# KiCad board UniDebug.kicad_pcb (continued)
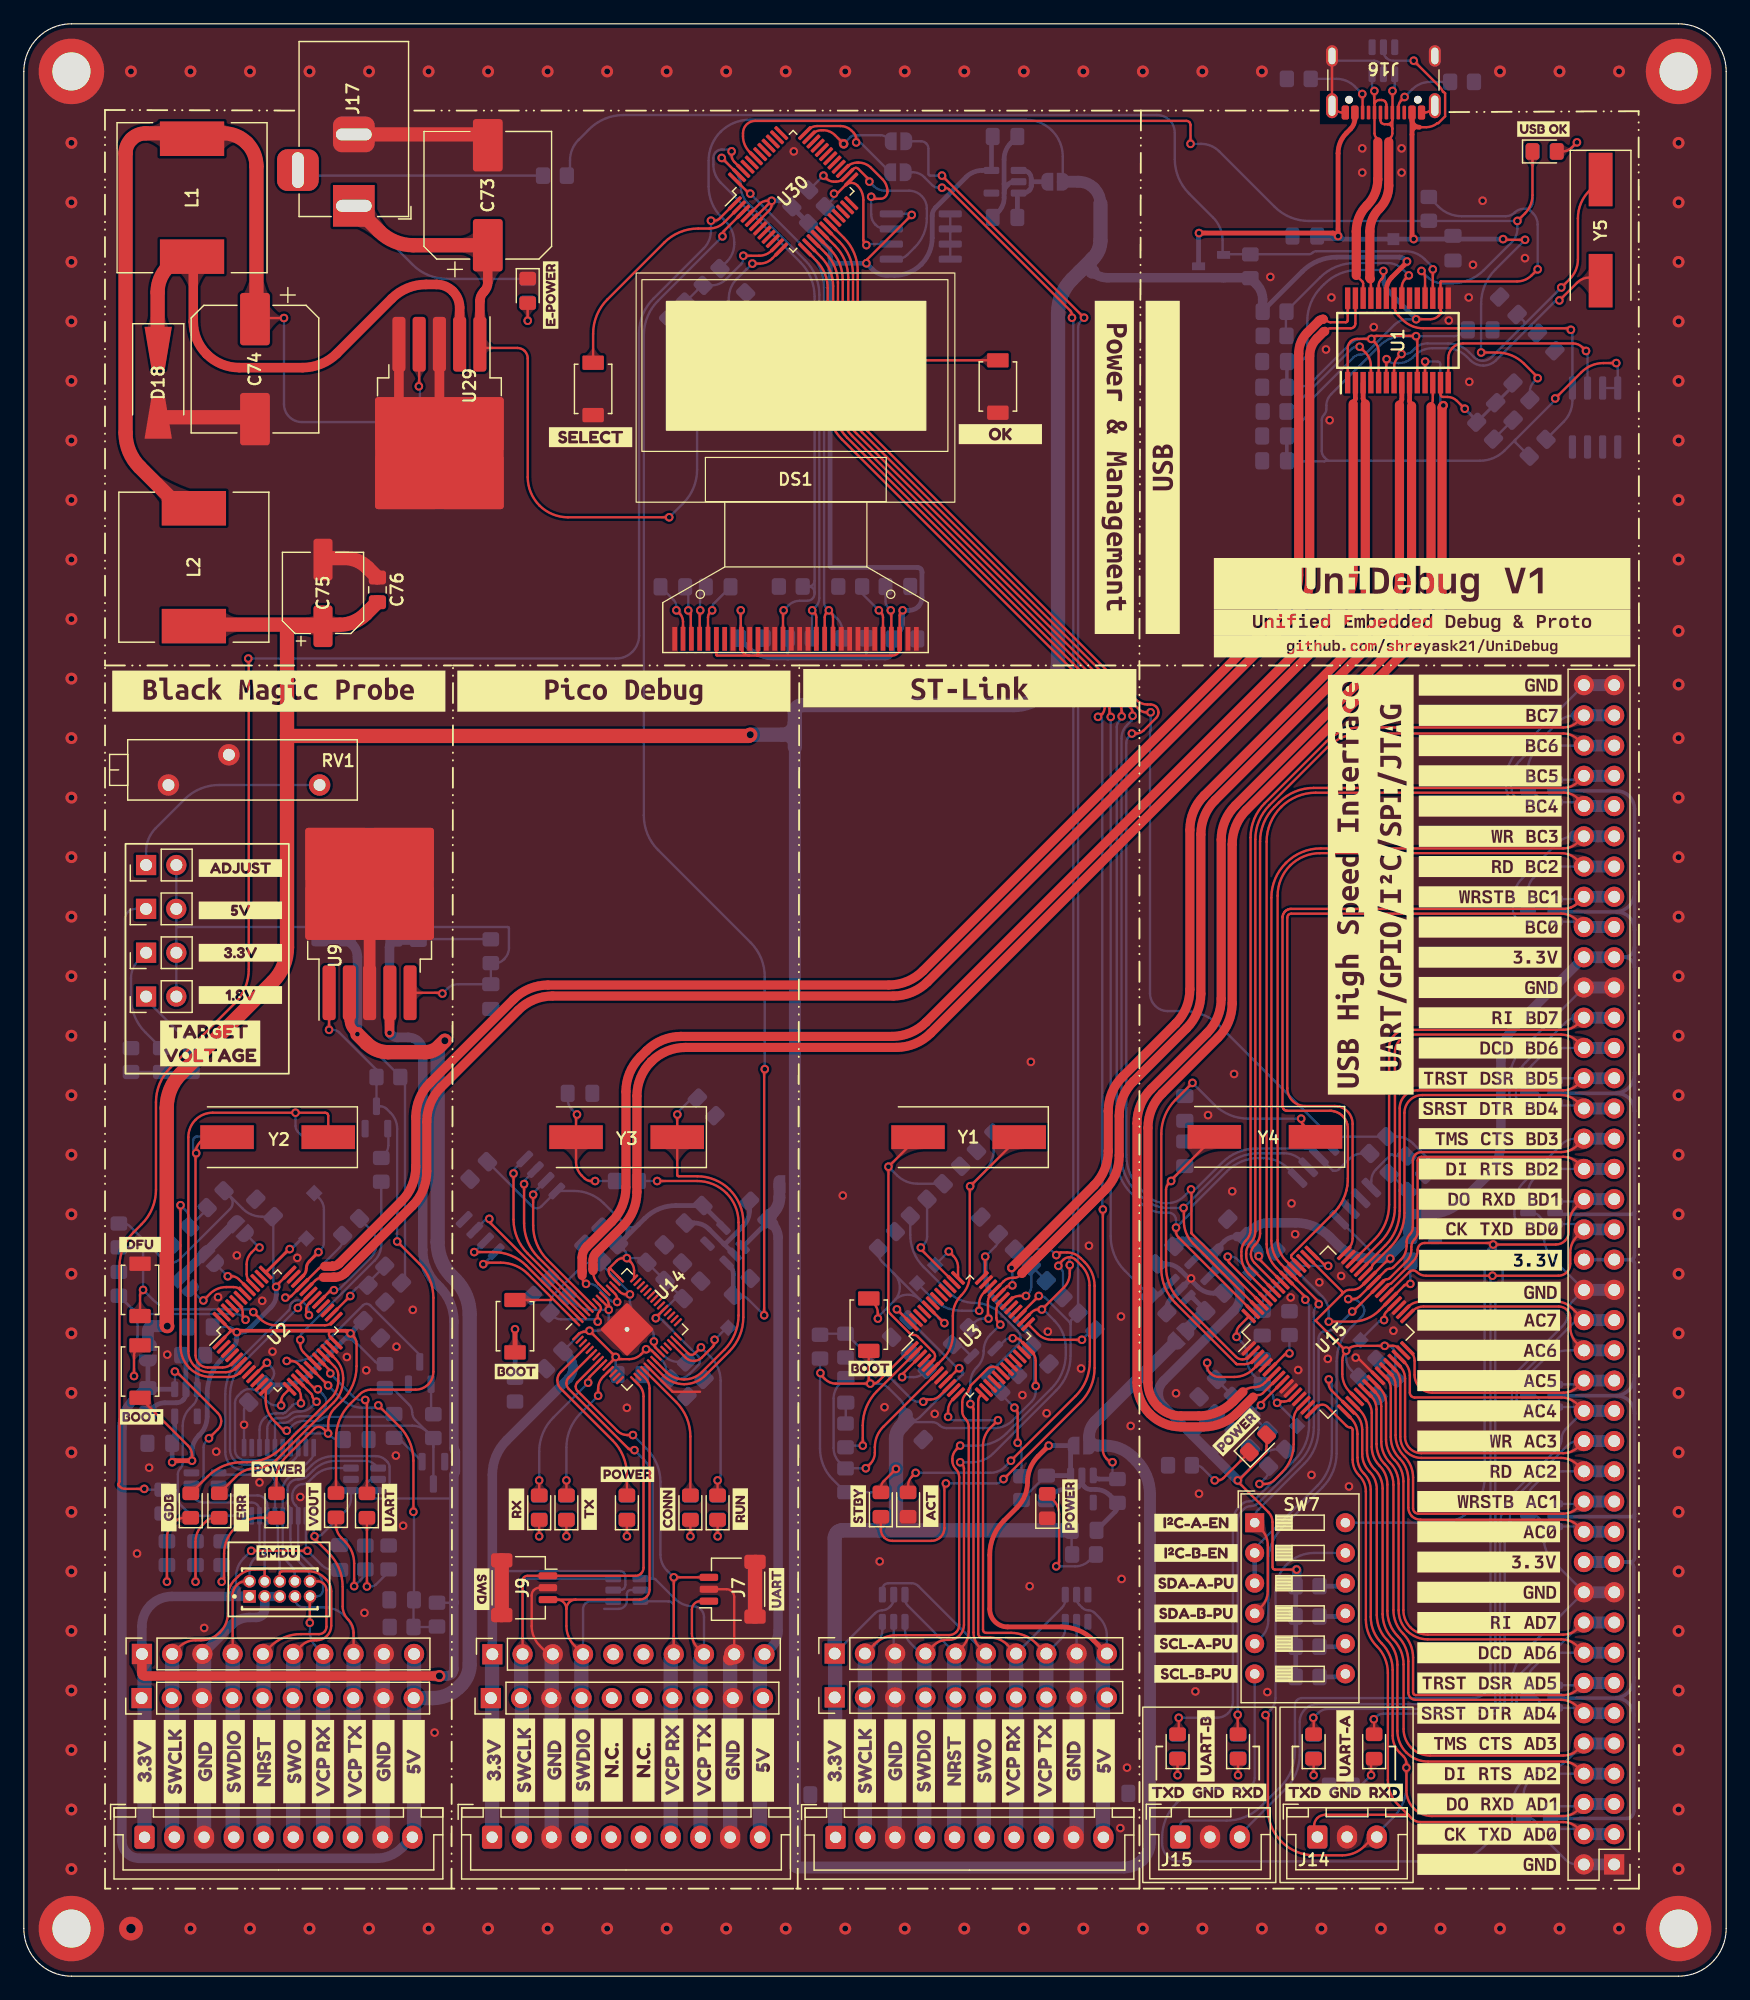
[diagram p0: board, top side]
## Nets (continued)
/USBHS_FTDI/VCORE: C45.1 C47.1 C48.1 C49.1 TP18.1 U15.12 U15.37 U15.49 U15.64
Net-(C30-Pad2): C30.2 R36.2 Y3.2
Net-(C74-Pad1): C74.1 L1.2 L2.1 R84.2
Net-(D1-K): D1.1 R12.1
Net-(D2-A): D2.2 R13.1
Net-(D3-K): D3.1 R33.1
Net-(D4-K): D4.1 R46.1
Net-(D5-K): D5.1 R48.1
Net-(D6-K): D6.1 R49.1
Net-(D7-K): D7.1 R50.1
Net-(D8-K): D8.1 R55.1
Net-(D9-K): D9.1 R56.1
Net-(D10-K): D10.1 R57.1
Net-(D11-K): D11.1 R58.1
Net-(D12-K): D12.1 R59.1
Net-(D13-K): D13.1 R67.1
Net-(D14-K): D14.1 R68.1
Net-(D15-K): D15.1 R69.1
Net-(D16-K): D16.1 R70.1
Net-(D17-A): D17.2 R81.2
Net-(D18-K): D18.1 L1.1 U29.2
Net-(D19-A): D19.2 R86.2
Net-(D20-A): D20.2 R14.2
Net-(D21-K): D21.1 R19.1
Net-(DS1-C1N): C79.2 DS1.5
Net-(DS1-C1P): C79.1 DS1.4
Net-(DS1-C2N): C78.1 DS1.2
Net-(DS1-C2P): C78.2 DS1.3
Net-(DS1-IREF): DS1.26 R87.2
Net-(DS1-VCOMH): C77.2 DS1.27
Net-(J13-Pin_11): J13.11 J13.12 U15.21 U24.6
Net-(J13-Pin_13): J13.13 J13.14 U15.22 U24.4
Net-(J13-Pin_15): J13.15 J13.16 U15.23 U24.3
Net-(J13-Pin_17): J13.17 J13.18 U15.24 U24.1
Net-(J13-Pin_23): J13.23 J13.24 U15.26 U23.6
Net-(J13-Pin_25): J13.25 J13.26 U15.27 U23.4
Net-(J13-Pin_27): J13.27 J13.28 U15.28 U23.3
Net-(J13-Pin_33): J13.33 J13.34 U15.32 U22.4
Net-(J13-Pin_35): J13.35 J13.36 U15.33 U22.3
Net-(J13-Pin_37): J13.37 J13.38 U15.34 U22.1
Net-(J13-Pin_51): J13.51 J13.52 U15.43 U20.6
Net-(J13-Pin_53): J13.53 J13.54 U15.44 U20.4
Net-(J13-Pin_55): J13.55 J13.56 U15.45 U20.3
Net-(J13-Pin_57): J13.57 J13.58 U15.46 U20.1
Net-(J13-Pin_63): J13.63 J13.64 U15.48 U19.6
Net-(J13-Pin_65): J13.65 J13.66 U15.52 U19.4
Net-(J13-Pin_67): J13.67 J13.68 U15.53 U19.3
Net-(J13-Pin_73): J13.73 J13.74 U15.57 U18.4
Net-(J13-Pin_75): J13.75 J13.76 U15.58 U18.3
Net-(J13-Pin_77): J13.77 J13.78 U15.59 U18.1
Net-(J16-CC1): J16.A5 R78.1
Net-(J16-CC2): J16.B5 R77.2
Net-(J17-Pad3): J17.3 R75.1
Net-(JP2-B): JP2.2 U2.40
Net-(JP3-B): JP3.2 U2.41
Net-(JP4-B): JP4.2 U2.42
Net-(JP7-A): JP7.1 R39.1
Net-(JP8-A): JP8.1 R44.1
Net-(JP9-A): JP9.1 RV1.1
Net-(JP10-A): JP10.1 R45.1
Net-(JP10-B): C19.1 JP7.2 JP8.2 JP9.2 JP10.2 R43.2 U9.5
Net-(JP11-A): C62.1 JP11.1 U26.1
Net-(JP12-A): C83.1 JP12.1 U32.1 U32.3
Net-(JP13-B): JP13.2 U30.35
Net-(JP14-B): JP14.2 U30.36
Net-(Q1-B): Q1.1 R7.1 R9.1 R10.1
Net-(Q1-E): Q1.2 R8.2
Net-(Q2-B): Q2.1 R27.2
Net-(Q3-B): Q3.1 R28.2
Net-(Q4-B): Q4.1 R35.2
Net-(R32-Pad1): R32.1 SW4.2
Net-(R93-Pad2): R93.2 SW7.10
Net-(R94-Pad2): R94.2 SW7.9
Net-(R95-Pad2): R95.2 SW7.8
Net-(R96-Pad2): R96.2 SW7.7
Net-(U1-OVCUR1#): R73.1 R74.1 U1.21
Net-(U2-BOOT0): R21.2 SW2.2 U2.44
Net-(U2-NRST): C10.1 R20.2 U2.7
Net-(U2-PA8): R24.1 U2.29
Net-(U2-PB12): R25.1 SW3.1 U2.25
Net-(U2-PD0): C11.2 U2.5 Y2.2
Net-(U2-PD1): C12.2 U2.6 Y2.1
Net-(U3-BOOT0): R2.2 SW1.2 U3.44
Net-(U3-NRST): C5.1 R1.2 U3.7
Net-(U3-PA0): R3.1 R4.2 U3.10
Net-(U3-PA9): R12.2 R13.2 U3.30
Net-(U3-PA15): R7.2 U3.38
Net-(U3-PB12): R11.1 U3.25
Net-(U3-PC13): R5.2 U3.2
Net-(U3-PC14): R6.2 U3.3
Net-(U3-PD0): C7.2 U3.5 Y1.2
Net-(U3-PD1): C6.2 U3.6 Y1.1
Net-(U14-XIN): C29.2 U14.20 Y3.1
Net-(U14-XOUT): R36.1 U14.21
Net-(U15-OSCI): C58.2 U15.2 Y4.2
Net-(U15-OSCO): C59.2 U15.3 Y4.1
Net-(U15-REF): R62.1 U15.6
Net-(U15-VPHY): C56.2 FB1.2 U15.4
Net-(U15-VPLL): C57.2 FB2.2 U15.9
Net-(U15-~{PWREN}): TP14.1 U15.60
Net-(U15-~{RESET}): R61.1 U15.14
Net-(U15-~{SUSPEND}): TP17.1 U15.36
Net-(U29-FB): R84.1 R85.2 U29.4
Net-(U30-PA0): R16.1 R18.2 U30.11
Net-(U30-PA1): R15.1 R17.2 U30.12
Net-(U30-PB13): R92.2 U30.25 U31.6
Net-(U30-PB14): R91.2 U30.26 U31.5
Net-(U30-PB15): U30.27 U31.7

Pads without a net: DS1 7; J10 5 6; J11 5 6; J12 5 6; J16 A8 B8; U1 19 20; U2 2 3 4 10 11 27 28 38 39 43 45 46; U3 4 11 14 15 16 17 19 21 22 28 29 39 40 41 42 43 45 46; U4 4; U6 1 6; U8 6; U10 9 12; U12 4; U14 2 3 5 7 12 13 14 16 24 25 28 29 30 31 32 34 35 36 37 38 39 40 41; U16 4; U17 6 7; U26 4; U27 4 6; U30 8 9 10 20 21 22 23 24 28 29 30 31 32 33 34 37 38 39 40 41 42 44 45; U32 4

## Via types
v1: diameter 0.72, hole 0.4, Top to Bottom, 329 vias
v2: diameter 1, hole 0.6, Top to Bottom, 4 vias
v3: diameter 1, hole 0.5, Top to Bottom, 108 vias
v4: diameter 2, hole 0.8, Top to Bottom, 1 via
v5: diameter 0.8, hole 0.4, Top to Bottom, 1 via

## Routing (per net, layer and track width the routed paths; a pad name or vN(x,y) marks a point on that pad's centre or on a via; arc(x,y) is an arc through that point)
/Main_USB_HUB/3V3HUB: length 157.3
  Top w0.2: U1.24 113.8,142.02 arc(113.86,142.29) 114.01,142.51 114.1,142.6 arc(114.18,142.72) 114.21,142.87 v1(114.21,143.24) ; U1.10 117.05,137.59 arc(117.04,137.66) 117,137.71 v1(116.95,137.76) 116.94,137.78 arc(116.93,137.78) 116.91,137.79 113.63,137.79 arc(113.46,137.75) 113.32,137.66 v1(113.19,137.53) ; v1(133.77,135.5) 132.69,135.5 arc(131.69,135.3) 130.85,134.74 v1(128.64,132.53) ; v1(113.19,137.53) 113.5,137.23 arc(113.72,136.89) 113.8,136.49 U1.5 ; v1(113.19,137.53) 112,137.53 arc(111.69,137.47) 111.44,137.3 arc(111.26,137.04) 111.2,136.74 U1.1 ; v1(127.16,143.38) 126.65,142.87 arc(126.09,142.49) 125.43,142.36 119.06,142.36 arc(119.04,142.36) 119.02,142.34 arc(119.01,142.33) 119,142.31 U1.16 119,139.97 arc(119.02,139.89) 119.07,139.82 arc(119.09,139.76) 119.07,139.69 118.84,139.47 arc(118.53,139.26) 118.15,139.18 v1(116.95,139.18)
  Bottom w0.2: R83.2 125.31,128.83 arc(125.27,128.89) 125.26,128.95 ; 106.05,129.33 106.05,127.25 ; 109.42,127.41 109.24,127.59 arc(109.08,127.83) 109.03,128.11 109.03,130.7 arc(109.08,130.95) 109.22,131.17 arc(109.36,131.38) 109.41,131.63 109.41,131.92 arc(109.52,132.44) 109.81,132.88 113.89,136.96 arc(114.78,137.55) 115.82,137.76 v1(116.95,137.76) 120.16,137.76 arc(120.5,137.83) 120.8,138.03 121.07,138.3 ; 109.42,127.41 109.5,127.33 ; 109.42,127.41 arc(109.44,127.37) 109.42,127.33 ; R81.1 126.75,149.06 arc(126.71,148.83) 126.58,148.63 ; v1(113.19,137.53) 112.5,137.53 arc(111.87,137.41) 111.33,137.05 108.34,134.05 arc(107.69,133.62) 106.93,133.47 C68.2 ; 126.58,148.28 126.78,148.07 arc(127.06,147.65) 127.16,147.16 v1(127.16,143.38) ; 126.58,148.28 arc(126.5,148.46) 126.58,148.63 ; 126.58,148.28 arc(126.38,148.41) 126.15,148.46 ; 126.15,148.46 125.97,148.46 arc(125.58,148.38) 125.24,148.15 125.24,148.15 arc(124.89,147.92) 124.49,147.84 120.78,147.84 arc(119.72,148.05) 118.83,148.65 R82.1 ; 126.15,148.46 arc(126.38,148.5) 126.58,148.63 ; 109.5,127.33 arc(109.46,127.35) 109.42,127.33 ; 109.5,127.33 arc(109.54,127.31) 109.59,127.3 122.31,127.3 arc(123.44,127.52) 124.39,128.16 125.21,128.97 ; v1(116.95,139.18) 116.28,139.18 arc(115.66,139.06) 115.13,138.71 112.88,136.46 arc(112.61,136.28) 112.28,136.21 arc(111.96,136.15) 111.69,135.97 108.37,132.65 arc(108.1,132.25) 108.01,131.79 arc(107.92,131.33) 107.66,130.94 C65.1 ; 125.21,128.97 125.31,129.08 ; 125.21,128.97 arc(125.24,128.98) 125.26,128.95 ; v1(133.77,135.5) 133.83,135.44 arc(133.88,135.37) 133.89,135.29 U28.8 U28.7 ; 125.31,129.08 128.59,132.36 arc(128.63,132.41) 128.64,132.47 v1(128.64,132.53) ; 125.31,129.08 arc(125.27,129.02) 125.26,128.95 ; C69.1 106.94,135.63 arc(107.27,135.69) 107.55,135.88 arc(107.74,136.16) 107.81,136.5 107.81,139.02 arc(108.12,140.58) 109,141.9 109.23,142.13 arc(110.55,143.01) 112.12,143.33 114.06,143.33 arc(114.12,143.31) 114.17,143.28 v1(114.21,143.24) ; 106.15,127.25 109.24,127.25 arc(109.33,127.26) 109.4,127.31 109.42,127.33
  Bottom w0.3: C65.1 C66.2 ; C68.2 C69.1
  Bottom w0.4: v1(114.21,143.24) 114.21,142.61 arc(114.32,142.02) 114.66,141.52 116.94,139.24 arc(116.95,139.23) 116.95,139.21 v1(116.95,139.18)
GND: length 383
  Top w0.2: J16.A1 117.68,156.55 arc(117.93,156.6) 118.15,156.74 ; J7.2 59.03,32.5 arc(59.27,32.45) 59.48,32.31 arc(59.63,32.1) 59.68,31.85 59.68,27.28 ; J16.S1 J16.S1 ; v1(111.87,51.96) 111.96,51.96 arc(112.04,51.94) 112.1,51.9 U15.25 ; J9.2 43.31,32.63 arc(43.06,32.58) 42.85,32.44 arc(42.71,32.23) 42.66,31.98 42.66,29.43 arc(42.84,28.52) 43.36,27.74 44.05,27.04 ; J16.A12 110.74,156.55 arc(110.48,156.6) 110.27,156.74 ; 56.8,49.09 54.5,49.09 U14.19
  Top w0.8: U29.3 U29.3 ; U29.5 31.51,130.98
  Top w1: U9.3 U9.3
  Top w1.2: 25.26,119.12 26.91,119.12 arc(27.98,118.91) 28.89,118.31 C76.2 ; J9.MP J9.MP ; J17.2 38.06,154.71 C73.2 ; 59.5,26.87 59.33,26.7 ; D18.2 19.26,130.95 ; J7.MP J7.MP
  Bottom w0.2: 110.29,160.9 113.4,160.9 arc(113.71,160.84) 113.97,160.66 113.97,160.66 arc(114.15,160.4) 114.21,160.1 ; U31.1 U31.4 ; 48.75,30.85 49.96,30.85 arc(50.45,31.06) 50.66,31.55 50.66,32.12 arc(50.68,32.24) 50.75,32.34 arc(50.86,32.41) 50.98,32.44 U11.2 ; 126.71,99.56 127.08,99.19 arc(127.26,98.92) 127.32,98.61 127.32,98.47 arc(127.28,98.28) 127.18,98.13 arc(127.02,98.02) 126.83,97.99 125.96,97.99 arc(125.7,98.04) 125.48,98.19 125.1,98.56 arc(124.67,99.2) 124.52,99.96 124.52,100.53 arc(124.78,101.82) 125.5,102.91 J13.80 ; J13.60 125.9,77.9 arc(125.07,76.66) 124.78,75.19 124.78,74.21 arc(124.89,73.65) 125.21,73.17 125.42,72.95 arc(125.66,72.79) 125.95,72.74 126.88,72.74 arc(127.05,72.77) 127.19,72.87 arc(127.29,73.01) 127.32,73.18 127.32,73.84 arc(127.28,74.01) 127.19,74.16 arc(127.05,74.25) 126.88,74.29 ; R45.2 R44.2 ; U5.2 73.07,27.23 ; U17.5 113.19,66.81 arc(113.3,67.33) 113.59,67.78 114.85,69.04 arc(114.87,69.05) 114.89,69.05 arc(114.92,69.05) 114.94,69.04 115,68.98 arc(115.08,68.92) 115.19,68.9 C60.2 ; U10.11 18.5,46.31 arc(18.5,46.32) 18.5,46.32 v1(18.5,46.32) 18.5,46.32 arc(18.5,46.33) 18.5,46.33 18.5,47.53 arc(18.55,47.79) 18.69,48 ; 69.05,46.45 C5.2 ; R80.1 125.05,130.7 ; J4.9 U6.2 ; 130.48,9.39 arc(129.95,9.49) 129.5,9.79 127.52,11.77 arc(127.35,12.03) 127.29,12.34 arc(127.23,12.65) 127.05,12.91 126.87,13.09 arc(126.61,13.27) 126.31,13.33 ; 126.69,64.13 arc(126.99,64.07) 127.25,63.89 127.34,63.8 arc(127.58,63.44) 127.67,63.02 127.67,62.25 arc(127.89,61.12) 128.53,60.17 J13.40 130.14,56.74 arc(129.82,56.26) 129.7,55.68 arc(129.59,55.11) 129.26,54.62 125.37,50.72 arc(125.09,50.31) 124.99,49.82 124.99,48.43 arc(125.1,47.91) 125.39,47.48 arc(125.82,47.19) 126.34,47.08 126.66,47.08 arc(126.91,47.13) 127.13,47.28 arc(127.27,47.49) 127.32,47.74 127.32,48.25 arc(127.28,48.44) 127.17,48.61 arc(127,48.72) 126.81,48.76 ; 126.81,23.49 arc(127,23.45) 127.17,23.34 arc(127.28,23.17) 127.32,22.97 127.32,22.38 arc(127.29,22.21) 127.19,22.07 arc(127.05,21.97) 126.88,21.94 125.45,21.94 arc(125.28,21.97) 125.13,22.07 arc(125.03,22.22) 124.99,22.4 124.99,24.5 arc(125.3,26.07) 126.19,27.39 J13.20 128.53,34.77 arc(127.89,35.72) 127.67,36.85 127.67,37.62 arc(127.58,38.04) 127.34,38.4 127.25,38.49 arc(126.99,38.67) 126.69,38.73
  Bottom w0.4: 13.62,49.63 13.62,51.77 ; C18.2 86.35,40.43 arc(86.85,40.77) 87.45,40.89 88.01,40.89 arc(88.34,40.95) 88.63,41.14 88.65,41.17 arc(88.82,41.42) 88.88,41.73 ; 58.79,61.52 58.84,61.46 ; 58.79,61.52 57.56,62.75 arc(56.98,63.13) 56.3,63.27 C31.2 ; 58.79,61.52 arc(58.82,61.5) 58.85,61.49 ; 58.84,61.46 U16.2 ; 58.84,61.46 arc(58.84,61.48) 58.85,61.49 ; C82.2 82.9,153.98 arc(82.49,153.36) 82.35,152.63 82.35,150.57 ; C83.2 81.87,148.22 arc(82.22,148.75) 82.35,149.38 82.35,149.79 ; 82.35,150.57 82.35,149.79 ; 82.35,150.57 arc(82.45,150.42) 82.62,150.46 ; C17.2 91.67,39.02 arc(91.81,39.23) 91.86,39.49 ; C61.2 95.88,59.84 arc(96.57,59.7) 97.16,59.31 97.91,58.55 arc(97.93,58.54) 97.93,58.51 arc(97.93,58.49) 97.91,58.48 97.38,57.94 arc(97.6,58.16) 97.82,58.38 v1(98.05,58.62) 98.05,58.54 arc(98.07,58.47) 98.11,58.41 98.6,57.92 arc(99.2,57.51) 99.92,57.37 C62.2 ; C33.2 60.96,64.33 arc(60.82,63.61) 60.41,63.01 58.92,61.52 arc(58.89,61.5) 58.85,61.49 ; 82.62,150.46 82.66,150.5 arc(82.92,150.67) 83.23,150.73 ; 82.62,150.46 arc(82.42,150.15) 82.35,149.79 ; 96.94,57.5 96.33,56.89 arc(96.1,56.55) 96.02,56.16 ; 91.67,39.95 91.24,40.39 arc(90.68,40.76) 90.03,40.89 89.64,40.89 arc(89.35,40.94) 89.1,41.11 arc(88.94,41.35) 88.88,41.64 ; C22.2 10.84,47.75 arc(11.31,48.06) 11.85,48.17 12.81,48.17 arc(13.12,48.23) 13.38,48.4 13.39,48.41 arc(13.56,48.67) 13.62,48.97
  Bottom w0.8: 13.11,58.63 JP2.1 ; C24.2 33.08,89.17 ; J6.3 17.45,29.51 arc(18.13,29.97) 18.95,30.13 19.53,30.13 arc(19.8,30.19) 20.03,30.34 arc(20.18,30.57) 20.23,30.83 J8.03 J8.05
  Bottom w1: J13.2 J13.1 ; J13.40 J13.39 ; J13.60 J13.59 ; J13.80 J13.79 ; J13.20 J13.19
  Bottom w1.2: J1.9 30.14,26.96 ; J10.9 59.33,26.46 arc(59.38,26.68) 59.5,26.87 ; J10.3 44.33,26.94 ; 73.15,11.7 73.15,27.05 ; J4.9 88.44,12.09 arc(88.4,11.92) 88.31,11.78 ; J1.3 15.14,26.93
  vias: v1(9.51,35.5) v1(10.53,42.71) v1(12.05,52.21) v1(15.15,29.25) v1(16.16,44.06) v1(16.32,57.04) v1(17.89,60.55) v1(19.8,41.47) v1(20.03,56.74) v1(20.89,52.47) v1(22.97,60.34) v1(23.23,40.25) v1(27.14,52.01) v1(28.61,30.52) v1(28.76,50.89) v1(31.3,52.87) v1(31.25,43.73) v1(31.86,37.84) v1(32.68,55.97) v1(34.5,20.46) v1(50.66,47.74) v1(64.68,153.28) v1(68.79,65.57) v1(71.89,34.84) v1(72.3,47.79) v1(76.52,47.24) v1(83.88,48.81) v1(84.49,32.76) v1(84.59,76.8) v1(85.91,47.29) v1(86.02,54.14) v1(88.81,51.05) v1(89.47,61.36) v1(92.11,12.44) v1(92.16,55.41) v1(92.21,33.37) v1(92.67,17.52) v1(92.97,46.22) v1(96.78,48.96) v1(98.41,23.92) v1(98.72,40.53) v1(99.48,72.33) v1(101.51,65.93) v1(101.66,75.79) v1(104.46,23.87) v1(104.71,142.74) v1(106.41,57.01) v1(106.49,64.91) v1(106.79,62.32) v1(107.05,50.92) v1(108.16,42.11) v1(108.82,58.28) v1(109.38,136.64) v1(109.54,51.86) v1(109.69,130.7) v1(109.84,141.01) v1(110.65,58.82) v1(111.31,41.14) v1(112.43,153.54) v1(112.43,151.5) v1(113.4,138.52) v1(115.05,54.22) v1(115.73,153.54) v1(115.73,151.5) v1(119.7,139.08) v1(121.37,141.01) v1(121.42,133.93) v1(121.73,143.76) v1(122.54,149.14) v1(126.1,144.31) v3(4,154) v3(4,149) v3(4,144) v3(4,139) v3(4,134) v3(4,129) v3(4,124) v3(4,119) v3(4,114) v3(4,109) v3(4,104) v3(4,99) v3(4,94) v3(4,89) v3(4,84) v3(4,79) v3(4,74) v3(4,69) v3(4,64) v3(4,59) v3(4,54) v3(4,49) v3(4,44) v3(4,39) v3(4,34) v3(4,29) v3(4,24) v3(4,19) v3(4,14) v3(4,9) v3(9,160) v3(14,160) v3(14,4) v3(19,160) v3(19,4) v3(24,160) v3(24,4) v3(29,160) v3(29,4) v3(34,160) v3(34,4) v3(39,160) v3(39,4) v3(44,160) v3(44,4) v3(49,160) v3(49,4) v3(54,160) v3(54,4) v3(59,160) v3(59,4) v3(64,160) v3(64,4) v3(69,160) v3(69,4) v3(74,160) v3(74,4) v3(79,160) v3(79,4) v3(84,160) v3(84,4) v3(89,160) v3(89,4) v3(94,160) v3(94,4) v3(99,160) v3(99,4) v3(104,160) v3(104,4) v3(109,4) v3(114,4) v3(119,4) v3(124,160) v3(124,4) v3(129,160) v3(129,4) v3(134,160) v3(134,4) v3(139,154) v3(139,149) v3(139,144) v3(139,139) v3(139,134) v3(139,129) v3(139,124) v3(139,119) v3(139,113) v3(139,108.5) v3(139,104) v3(139,99) v3(139,94) v3(139,89) v3(139,84) v3(139,79) v3(139,74) v3(139,69) v3(139,64) v3(139,59) v3(139,54) v3(139,49) v3(139,44) v3(139,39) v3(139,34) v3(139,29) v3(139,24) v3(139,19) v3(139,14) v3(139,9) v4(9,4)
VBUS: length 455.2
  Top w0.4: v1(116.19,144.04) 116.19,144.01 arc(116.18,143.99) 116.17,143.97 114.91,142.71 arc(114.57,142.2) 114.45,141.6
  Top w1.2: C76.1 28.72,114.43 arc(27.72,113.76) 26.54,113.52 25.26,113.52 ; v2(12.05,54.6) 12.03,54.63 arc(12.01,54.65) 12,54.68 12,72.93 arc(12.31,74.49) 13.2,75.82 20.91,83.53 arc(21.8,84.85) 22.11,86.42 22.11,113.11 arc(22.13,113.22) 22.19,113.31 arc(22.29,113.37) 22.4,113.4 C75.1 ; 14.41,113.53 25,113.53 ; v2(61.02,104.28) 60.97,104.23 arc(60.91,104.2) 60.85,104.18 22.11,104.18
  Bottom w0.2: R16.2 59.08,144.05 arc(59.52,144.71) 59.68,145.49 59.68,145.66 arc(59.49,146.6) 58.96,147.4 58.6,147.75 arc(57.8,148.95) 57.52,150.35 57.52,152.5 arc(57.78,153.81) 58.53,154.93 arc(59.65,155.68) 60.97,155.94 84.19,155.94 arc(85.37,155.7) 86.37,155.04 arc(87.04,154.03) 87.27,152.85 JP12.2
  Bottom w0.4: v1(116.19,144.04) 116.01,144.22 arc(115.81,144.35) 115.57,144.4 110.29,144.4 arc(108.72,144.09) 107.4,143.2 104.06,139.87
  Bottom w0.8: R73.2 104.06,140.84 arc(103.92,141.54) 103.53,142.13 103.26,142.4 arc(102.96,142.6) 102.61,142.67 Q5.2 91.02,142.67 arc(90.33,142.81) 89.75,143.19 arc(89.23,143.41) 88.7,143.19
  Bottom w1: JP6.1 10.42,54.21 arc(10.45,54.36) 10.54,54.49 arc(10.67,54.57) 10.82,54.6 v2(12.05,54.6) ; JP12.2 88.58,150.73 arc(89.29,150.59) 89.89,150.19 arc(90.29,149.59) 90.43,148.88 ; JP11.2 90.01,46.58 arc(89.62,46) 89.48,45.31 arc(89.7,44.79) 90.22,44.57 90.83,44.57 arc(92.08,44.32) 93.14,43.61 93.41,43.35 arc(94.29,42.03) 94.6,40.47 94.6,11.3 arc(94.44,10.47) 93.97,9.77 arc(93.26,9.3) 92.43,9.14 64.96,9.14 arc(64.89,9.15) 64.83,9.19 arc(64.79,9.25) 64.77,9.33 JP1.1 64.77,103.22 arc(64.46,103.97) 63.71,104.28
  Bottom w1.2: 89.75,144.24 88.05,142.54 arc(87.18,141.24) 86.88,139.71 86.88,110.5 arc(86.6,109.08) 85.79,107.87 arc(84.58,107.06) 83.15,106.77 65.4,106.77 arc(65.16,106.73) 64.95,106.59 arc(64.82,106.39) 64.77,106.15 64.77,105.35 ; 89.75,144.24 89.83,144.32 arc(90.28,144.99) 90.43,145.78 90.43,148.88 ; 89.75,144.24 arc(89.54,143.72) 89.75,143.19 ; 64.77,105.35 64.77,103.22 ; 64.77,105.35 arc(64.46,104.6) 63.71,104.28 v2(61.02,104.28)
/BlackMagicProbe/BMP_5V: length 201.5
  Top w0.2: v1(15.55,45.19) 16.3,45.94 arc(16.51,46.25) 16.58,46.62 arc(16.51,46.99) 16.3,47.31 12.86,50.75 arc(12.81,50.78) 12.75,50.79 v1(12.69,50.79)
  Top w0.8: U9.2 27.35,80.29 arc(27.44,79.85) 27.69,79.47 v1(28.02,79.13)
  Top w1.2: v1(28.02,79.13) 28.78,78.37 arc(29.62,77.81) 30.62,77.61 33.72,77.61 arc(34.35,77.74) 34.89,78.1 v2(35.37,78.58)
  Bottom w0.2: v1(15.55,45.19) 15.32,44.96 arc(15.16,44.71) 15.1,44.42 15.1,41.93 arc(15.05,41.7) 14.92,41.51 arc(14.73,41.38) 14.5,41.33 ; 31.66,75.53 28.07,79.12 arc(28.06,79.13) 28.04,79.13 v1(28.02,79.13) ; 32.02,58.52 32.02,75.17 ; v1(12.69,50.79) 12.69,49.32
  Bottom w0.4: C22.1 JP6.2 ; U12.1 10.52,49.3
  Bottom w0.8: v1(28.02,79.13) 28.02,85.63 arc(27.91,86.19) 27.59,86.66 arc(27.12,86.98) 26.56,87.09 C24.1 ; 10.19,49.4 9.22,48.43 arc(8.49,47.34) 8.24,46.07 8.24,11.36 arc(8.35,10.8) 8.67,10.33 arc(9.14,10.01) 9.7,9.9 29.61,9.9 arc(30.77,10.13) 31.75,10.79 J1.10
  Bottom w1.2: J6.10 32.78,11.82 ; v2(35.37,78.58) 35.06,78.27 arc(34.84,77.94) 34.76,77.54 34.76,61.68 arc(35.07,60.12) 35.95,58.79 36.26,58.49 arc(37.14,57.16) 37.45,55.6 37.45,26.18 arc(37.27,25.25) 36.74,24.47 36.54,24.27 arc(35.54,23.6) 34.35,23.36 J5.10
/BlackMagicProbe/BMP_DN: length 139.7
  Top w0.2: U1.27 111.85,138.82 arc(111.82,138.67) 111.74,138.54 arc(111.61,138.45) 111.45,138.42 109.77,138.42 arc(109.6,138.39) 109.46,138.29 109.37,138.21 arc(109.33,138.18) 109.28,138.17 ; U2.32 24.45,58.41 arc(24.78,58.63) 25.17,58.71
  Top w0.77: 25.17,58.71 26.12,58.71 arc(26.6,58.8) 27.01,59.08 32.65,64.72 arc(33.54,66.05) 33.85,67.61 33.85,71.77 arc(34.16,73.33) 35.04,74.66 41.53,81.14 arc(42.85,82.02) 44.41,82.33 73.04,82.33 arc(74.6,82.65) 75.92,83.53 106.82,114.43 arc(107.71,115.75) 108.02,117.32 108.02,136.11 arc(108.17,136.9) 108.62,137.56 109.18,138.13 arc(109.23,138.16) 109.28,138.17
/BlackMagicProbe/BMP_DP: length 148.1
  Top w0.2: v1(21.97,57) 22.15,57 arc(22.32,57.04) 22.47,57.13 U2.33 24.74,59.41 arc(24.99,59.57) 25.28,59.63 ; U1.28 111.2,139.09 arc(111.19,139.03) 111.16,138.98 arc(111.11,138.94) 111.04,138.93 109.77,138.93 arc(109.6,138.96) 109.46,139.06 arc(109.32,139.15) 109.15,139.18
  Top w0.77: 109.15,139.18 109.13,139.18 arc(108.95,139.15) 108.79,139.04 107.82,138.07 arc(107.28,137.27) 107.09,136.32 107.09,117.7 arc(106.78,116.14) 105.9,114.81 75.54,84.45 arc(74.21,83.57) 72.65,83.26 44.03,83.26 arc(42.47,82.95) 41.14,82.06 34.12,75.04 arc(33.24,73.71) 32.93,72.15 32.93,67.99 arc(32.61,66.43) 31.73,65.11 26.49,59.87 arc(26.23,59.69) 25.92,59.63 25.28,59.63
  Bottom w0.2: v1(21.97,57) 22.15,57 arc(22.31,57.04) 22.45,57.13 26.52,61.19 arc(26.72,61.49) 26.79,61.84
/BlackMagicProbe/BMP_LED0: length 13.3
  Top w0.2: v1(28.68,48.4) 28.75,48.33 arc(28.8,48.25) 28.82,48.16 D4.2 ; v1(25.75,50.63) 25.75,50.74 arc(25.73,50.85) 25.67,50.94 U2.20
  Bottom w0.2: v1(28.68,48.4) 28.32,48.4 arc(27.98,48.47) 27.69,48.66 25.75,50.6 arc(25.75,50.61) 25.75,50.62 v1(25.75,50.63)
/BlackMagicProbe/BMP_LED1: length 19
  Top w0.2: D5.2 15.44,41.98 arc(16.76,42.86) 18.33,43.17 18.75,43.17 arc(20.32,43.48) 21.64,44.37 25.79,48.52 arc(26.25,49.21) 26.41,50.02 26.41,50.49 arc(26.34,50.86) 26.13,51.18 U2.21
/BlackMagicProbe/BMP_LED2: length 17.6
  Top w0.2: D6.2 17.84,41.97 arc(18.61,42.49) 19.52,42.67 arc(20.44,42.85) 21.21,43.37 26.04,48.2 arc(26.62,49.07) 26.82,50.09 26.82,50.26 arc(26.65,51.12) 26.16,51.85 U2.22
/BlackMagicProbe/BMP_PWR_OUT: length 158.2
  Top w0.2: v1(23.82,35.73) v1(19.1,35.73)
  Top w0.8: v2(34.91,25.22) 10.17,25.22 arc(10.07,25.24) 9.99,25.29 arc(9.94,25.37) 9.92,25.46 J6.1 ; v1(30.72,79.24) 30.72,82.58
  Bottom w0.2: U10.2 23.7,35.95 arc(23.71,35.87) 23.76,35.8 v1(23.82,35.73) 25.03,34.52 arc(25.47,34.23) 25.98,34.13 ; 39.21,87.11 33.21,87.11 ; 36.25,40.12 29.04,40.12 arc(28.95,40.14) 28.87,40.2 arc(28.82,40.28) 28.8,40.37 28.8,41.22 arc(28.84,41.42) 28.95,41.58 arc(29.11,41.69) 29.31,41.73 ; R42.1 36.1,31.37 arc(36.11,31.37) 36.12,31.38 arc(36.13,31.39) 36.13,31.4 ; v1(19.1,35.73) 18.46,35.1 arc(17.99,34.39) 17.82,33.56 17.82,32.47 arc(17.99,32.07) 18.39,31.9
  Bottom w0.8: v2(34.91,25.22) 35.56,25.22 arc(35.78,25.26) 35.96,25.38 arc(36.09,25.57) 36.13,25.79 36.13,31.37 ; 36.13,31.37 36.13,42.11 arc(36.15,42.19) 36.19,42.26 arc(36.24,42.32) 36.25,42.4 36.25,44.04 arc(36.24,44.12) 36.19,44.18 arc(36.15,44.25) 36.13,44.33 36.13,54.99 arc(35.82,56.56) 34.93,57.88 34.71,58.11 arc(33.82,59.43) 33.51,60.99 33.51,77.65 arc(33.16,78.51) 32.31,78.86 31.37,78.86 arc(31.12,78.91) 30.91,79.05 v1(30.72,79.24) 30.72,86.42 arc(30.77,86.67) 30.91,86.88 ; 36.13,31.37 arc(36.13,31.38) 36.12,31.38 ; C26.1 31.13,87.04 ; 17.25,31.9 12.44,31.9 arc(11.47,31.71) 10.66,31.16 arc(10.11,30.35) 9.92,29.38 J6.1 ; 17.25,31.9 J8.01 ; 17.25,31.9 arc(17.66,32.07) 17.82,32.47
  Bottom w1.2: J1.1 10.14,26.85
/BlackMagicProbe/BMP_RST_DRIVE: length 13.4
  Top w0.2: v1(22.08,45.82) 21.97,45.82 arc(21.86,45.84) 21.76,45.91 21.03,46.64 arc(20.51,47.42) 20.32,48.34 U2.12
  Bottom w0.2: 30.86,46.98 25.45,46.98 arc(25.22,46.94) 25.03,46.81 arc(24.84,46.68) 24.61,46.63 23.51,46.63 arc(22.98,46.53) 22.53,46.23 22.14,45.84 arc(22.12,45.83) 22.1,45.82 v1(22.08,45.82)
/BlackMagicProbe/BMP_RST_OUT: length 43
  Top w0.2: 19.61,26.59 20.68,27.66 arc(21.86,28.46) 23.26,28.73 24.8,28.73 arc(25.04,28.78) 25.24,28.92 arc(25.37,29.12) 25.42,29.36 25.42,32.43 arc(25.37,32.71) 25.2,32.95 arc(24.96,33.11) 24.68,33.17 J8.10
  Bottom w0.2: U7.4 29.46,42.98 arc(29.13,43.21) 28.74,43.28 26.2,43.28 arc(25.19,43.08) 24.33,42.51 23.87,42.05 arc(23.52,41.82) 23.11,41.73 23.02,41.73 arc(22.69,41.67) 22.4,41.48 arc(22.21,41.19) 22.15,40.86 22.15,39.75 arc(22.18,39.59) 22.27,39.45 arc(22.37,39.31) 22.4,39.15 ; 22.4,38.34 22.4,36.71 arc(22.61,35.63) 23.22,34.72 23.78,34.16 arc(23.98,33.87) 24.04,33.53
  Bottom w1.2: J1.5 20.14,27.01
/BlackMagicProbe/BMP_RSTSNS: length 16.8
  Top w0.2: U2.17 23.05,51.43 arc(22.77,51.61) 22.44,51.68 v1(22.08,51.68)
  Bottom w0.2: v1(22.08,51.68) 22.95,51.68 arc(23.74,51.84) 24.42,52.29 28.47,56.34 arc(28.62,56.44) 28.79,56.47 arc(28.96,56.44) 29.11,56.34 33.26,52.19
/BlackMagicProbe/BMP_RXD: length 22.7
  Top w0.2: v1(23.02,56.13) 23.02,56.2 arc(23.04,56.27) 23.07,56.33 U2.31
  Bottom w0.2: v1(23.02,56.13) 18.52,51.63 arc(17.63,50.31) 17.32,48.74 17.32,44.22 arc(17.42,43.74) 17.69,43.33 arc(18.1,43.06) 18.59,42.96 21.71,42.96 arc(22.22,43.06) 22.66,43.35 22.82,43.51 arc(22.99,43.77) 23.05,44.07
/BlackMagicProbe/BMP_RXD_OUT: length 36
  Top w0.2: v1(24.02,29.69) 24.02,31.88
  Bottom w0.2: J6.7 24.59,27.64 arc(24.2,28.21) 24.02,28.88 24.02,29.68 v1(24.02,29.69) ; U7.3 26.03,42.68 arc(25.14,42.51) 24.4,42.01 23.94,41.55 arc(23.7,41.39) 23.42,41.33 arc(23.14,41.28) 22.9,41.12 22.83,41.05 arc(22.62,40.74) 22.55,40.36 22.55,40.18 arc(22.61,39.85) 22.8,39.58 22.82,39.56 arc(22.99,39.3) 23.05,39 ; 23.05,38.34 23.05,36.02 arc(23.13,35.61) 23.36,35.26 24.57,34.05 arc(24.99,33.43) 25.13,32.7 25.13,32.44 arc(24.97,32.06) 24.59,31.9 J8.09
  Bottom w1.2: J1.7 25.14,27.04
/BlackMagicProbe/BMP_TCK: length 9.1
  Top w0.2: v1(24.59,48.26) 24.31,48.54 arc(24.25,48.62) 24.23,48.73 arc(24.21,48.83) 24.16,48.91 U2.15
  Bottom w0.2: v1(24.59,48.26) 24.18,47.84 arc(23.73,47.54) 23.19,47.43 23,47.43 arc(22.64,47.36) 22.33,47.16 arc(22.02,46.95) 21.66,46.88 21.33,46.88 arc(20.99,46.81) 20.71,46.62 arc(20.51,46.33) 20.45,45.99 U10.14
/BlackMagicProbe/BMP_TCK_OUT: length 38.8
  Top w0.2: J6.2 13.04,27.64 arc(13.67,28.07) 14.42,28.22 14.88,28.22 arc(15.74,28.39) 16.48,28.88 arc(16.97,29.62) 17.14,30.48 17.14,31.91 arc(17.29,32.66) 17.72,33.29 18,33.58 arc(18.64,34.01) 19.39,34.15 20.18,34.15 arc(20.2,34.15) 20.22,34.14 arc(20.23,34.12) 20.23,34.11 J8.04
  Bottom w0.2: 20.45,38.78 20.45,39.57 arc(20.39,39.88) 20.21,40.15 arc(19.95,40.32) 19.64,40.38 U8.3 ; 20.34,33.49 arc(20.26,33.62) 20.23,33.76 20.23,37.75 arc(20.24,37.79) 20.26,37.83 arc(20.29,37.87) 20.3,37.91 20.3,38.42 arc(20.32,38.51) 20.37,38.6
  Bottom w1.2: J6.2 12.46,11.85
/BlackMagicProbe/BMP_TDI: length 15.4
  Top w0.2: v1(21.62,47.94) 21.62,48.28 arc(21.68,48.6) 21.86,48.87 U2.13
  Bottom w0.2: v1(21.62,47.94) 21.2,47.94 arc(20.83,48.02) 20.5,48.23 19.7,49.03 arc(19.37,49.25) 18.99,49.33 arc(18.6,49.25) 18.27,49.03 17.99,48.75 arc(17.8,48.47) 17.74,48.15 17.74,44.19 arc(17.8,43.87) 17.98,43.6 arc(18.26,43.42) 18.57,43.36 21.1,43.36 arc(21.35,43.41) 21.56,43.55 arc(21.7,43.76) 21.75,44.01